# KiCad board electrosteel2020_10_arrange7_synthboardsonlyrev6.kicad_pcb
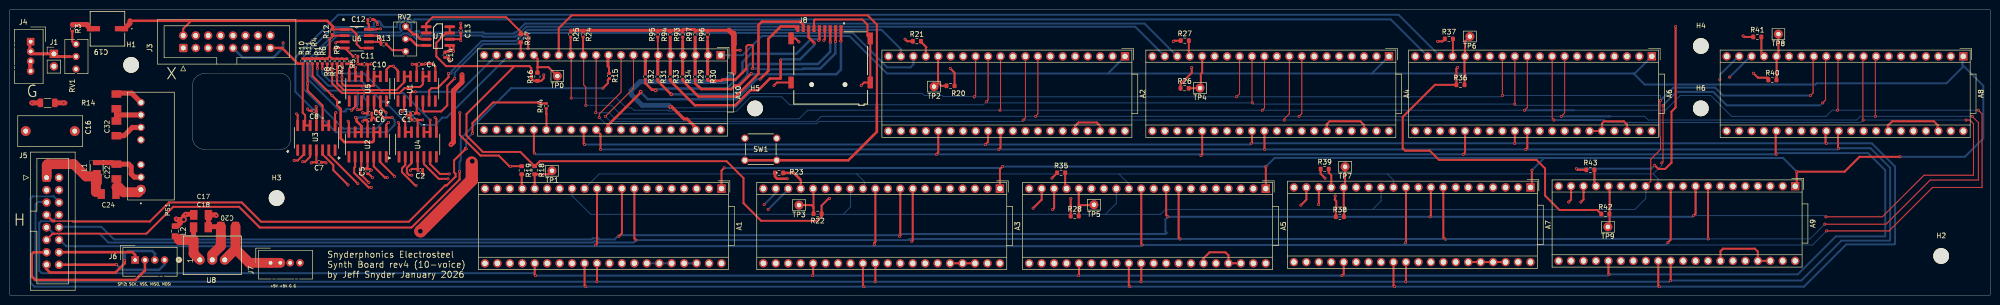
[diagram p0: board, top side]
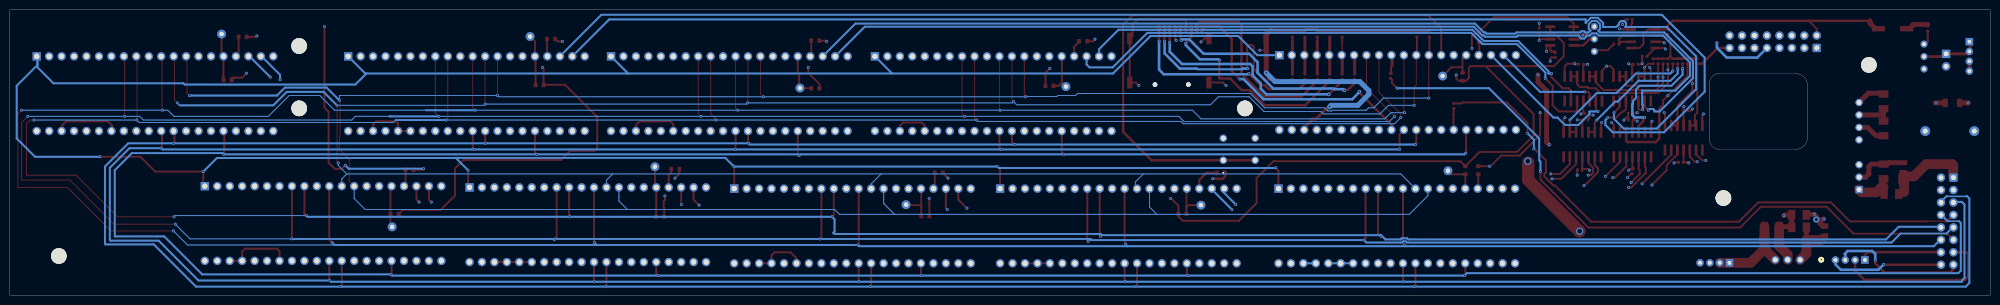
[diagram p1: board, bottom side, seen from below]

Outline 404 x 58.25 mm; copper layers: Top, In1.Cu, In2.Cu, Bottom. Coordinates in mm from the lower left corner of the outline.
Outline path: rectangle 0,58.25 404,0 ; 37.25,42.75 37.25,32.25 arc(37.98,30.48) 39.75,29.75 55.25,29.75 arc(56.66,30.34) 57.25,31.75 57.25,43.25 arc(56.66,44.66) 55.25,45.25 39.75,45.25 arc(37.98,44.52) 37.25,42.75

## Placement (name value [footprint] x y rotation side)
A1  Electrosmith_Daisy_Seed_Rev4  [Electrosmith_Daisy_Seed]  145.19 21.75 270 top
A2  Electrosmith_Daisy_Seed_Rev4  [Electrosmith_Daisy_Seed]  227.51 48.75 270 top
A3  Electrosmith_Daisy_Seed_Rev4  [Electrosmith_Daisy_Seed]  201.98 21.75 270 top
A4  Electrosmith_Daisy_Seed_Rev4  [Electrosmith_Daisy_Seed]  281.35 48.75 270 top
A5  Electrosmith_Daisy_Seed_Rev4  [Electrosmith_Daisy_Seed]  256.22 21.75 270 top
A6  Electrosmith_Daisy_Seed_Rev4  [Electrosmith_Daisy_Seed]  334.97 48.75 270 top
A7  Electrosmith_Daisy_Seed_Rev4  [Electrosmith_Daisy_Seed]  310.22 22 270 top
A8  Electrosmith_Daisy_Seed_Rev4  [Electrosmith_Daisy_Seed]  398.51 48.75 270 top
A9  Electrosmith_Daisy_Seed_Rev4  [Electrosmith_Daisy_Seed]  364.22 22.25 270 top
A10  Electrosmith_Daisy_Seed_Rev4  [Electrosmith_Daisy_Seed]  145.01 48.99 270 top
C1  .1uf  [C_0402_1005Metric]  82.56 35.78 180 top
C2  .1uf  [C_0402_1005Metric]  83.73 25.5 180 top
C3  .1uf  [C_0402_1005Metric]  82.23 37.13 0 top
C4  .1uf  [C_0402_1005Metric]  83.48 47.13 0 top
C5  .1uf  [C_0402_1005Metric]  73 25.27 90 top
C6  .1uf  [C_0402_1005Metric]  73.27 35.75 0 top
C7  .1uf  [C_0402_1005Metric]  63.06 27.13 180 top
C8  .1uf  [C_0402_1005Metric]  62.06 37.63 180 top
C9  .1uf  [C_0402_1005Metric]  73.37 37.13 180 top
C10  .1uf  [C_0402_1005Metric]  72.33 47.13 180 top
C11  .1uf  [C_0402_1005Metric]  70.52 48.75 0 top
C12  .1uf  [C_0402_1005Metric]  73.52 56.25 0 top
C13  .1uf  [C_0402_1005Metric]  92 54.02 90 top
C14  .1uf  [C_0402_1005Metric]  88.75 49 270 top
C16  10000pf Y2  [C_Rect_L13.0mm_W6.0mm_P10.00mm_FKS3_FKP3_MKS4]  3.25 33.5 0 top
C17  4.7uf  [C1206K]  39.02 16.39 0 top
C18  4.7uf  [C1206K]  38.99 13.85 0 top
C19  EEE-HP1E220P  [CAP_PAN_EEE_D_PAN-L]  19.92 54.39 180 top
C20  4.7uf  [C1206K]  44.55 13.98 180 top
C22  10uf  [C1206K]  21.75 25.25 270 top
C23  10uf  [C1206K]  21.75 39.55 90 top
C24  10uf  [C1206K]  20.15 20.65 0 top
C32  10uf  [C1206K]  21.75 34.05 90 top
H1  MountingHole  [MountingHole_3.2mm_M3]  24.75 47 0 top
H2  MountingHole  [MountingHole_3.2mm_M3]  394 8 0 top
H3  MountingHole  [MountingHole_3.2mm_M3]  54.43 19.82 0 top
H4  MountingHole  [MountingHole_3.2mm_M3]  344.98 50.86 0 top
H5  MountingHole  [MountingHole_3.2mm_M3]  152.03 38.12 0 top
H6  MountingHole  [MountingHole_3.2mm_M3]  344.97 38.13 0 top
J1  Conn_01x02_Pin  [PinHeader_1x02_P2.54mm_Vertical]  9 49.25 0 top
J3  Conn_02x08_Counter_Clockwise  [IDC-Header_2x08_P2.54mm_Vertical]  35.38 50.46 90 top
J4  110990030  [NS-Tech_Grove_1x04_P2mm_Vertical]  4.25 51.75 0 top
J5  Conn_02x08_Counter_Clockwise  [IDC-Header_2x08_P2.54mm_Vertical]  7.5 24 0 top
J6  110990030  [NS-Tech_Grove_1x04_P2mm_Vertical]  25.57 7.19 90 top
J7  110990030  [NS-Tech_Grove_1x04_P2mm_Vertical]  53.19 6.61 90 top
J8  MEM2075-00-140-01-A  [GCT_MEM2075-00-140-01-A]  166.98 42.99 0 top
L1  2.2uH  [BOURNS_SRP2010]  17.75 26.05 90 top
L2  10uH  [L_0805_2012Metric_Pad1.15x1.40mm_HandSolder]  33.73 13.08 270 top
PS1  UWE1215S-3WR3  [CONV_UWE1215S-3WR3]  28.8 30.44 90 top
R1  10k  [R_0402_1005Metric]  62.75 47.78 90 top
R2  10k  [R_0402_1005Metric]  67.75 47.76 90 top
R3  560R  [R_0402_1005Metric]  12.75 54.4 270 top
R4  10k  [R_0402_1005Metric]  61.75 47.76 90 top
R5  10k  [R_0402_1005Metric]  68.75 47.74 90 top
R6  10k  [R_0402_1005Metric]  63.75 47.76 90 top
R7  10k  [R_0402_1005Metric]  65.75 47.74 90 top
R8  10k  [R_0402_1005Metric]  64.75 47.74 90 top
R9  10k  [R_0402_1005Metric]  66.75 47.76 90 top
R10  10k  [R_0402_1005Metric]  59.75 47.76 90 top
R11  10k  [R_0402_1005Metric]  60.75 47.78 90 top
R12  10k  [R_0402_1005Metric]  65.75 53.76 90 top
R13  100R  [R_0402_1005Metric]  76.26 51.25 0 top
R14  1M  [R_1206_3216Metric]  7.71 39.25 0 top
R15  47R  [R_0402_1005Metric]  122.33 44.78 270 top
R16  0R  [R_0603_1608Metric]  107.63 44.58 90 top
R17  0R  [R_0603_1608Metric]  104.22 52.45 270 top
R18  0R  [R_0603_1608Metric]  107.07 25.5 270 top
R19  0R  [R_0603_1608Metric]  104.43 25.5 270 top
R20  0R  [R_0603_1608Metric]  191.91 42.73 180 top
R21  0R  [R_0603_1608Metric]  185.04 51.83 0 top
R22  0R  [R_0603_1608Metric]  164.79 16.62 180 top
R23  0R  [R_0603_1608Metric]  156.93 24.96 0 top
R24  2K  [R_0402_1005Metric]  116.95 53.22 270 top
R25  2K  [R_0402_1005Metric]  114.41 53.22 270 top
R26  0R  [R_0603_1608Metric]  239.66 42.24 0 top
R27  0R  [R_0603_1608Metric]  239.69 51.95 0 top
R28  0R  [R_0603_1608Metric]  217.24 16.15 0 top
R29  47R  [R_0402_1005Metric]  139.81 44.61 270 top
R30  47R  [R_0402_1005Metric]  142.35 44.61 270 top
R31  47R  [R_0402_1005Metric]  132.19 44.61 270 top
R32  47R  [R_0402_1005Metric]  129.65 44.61 270 top
R33  47R  [R_0402_1005Metric]  134.73 44.61 270 top
R34  47R  [R_0402_1005Metric]  137.27 44.61 270 top
R35  0R  [R_0603_1608Metric]  214.47 24.99 0 top
R36  0R  [R_0603_1608Metric]  295.93 42.94 0 top
R37  0R  [R_0603_1608Metric]  293.57 52.31 0 top
R38  0R  [R_0603_1608Metric]  271.33 16.01 0 top
R39  0R  [R_0603_1608Metric]  268.24 25.75 0 top
R40  0R  [R_0603_1608Metric]  359.57 43.93 0 top
R41  0R  [R_0603_1608Metric]  356.5 52.71 0 top
R42  0R  [R_0603_1608Metric]  325.49 16.57 0 top
R43  0R  [R_0603_1608Metric]  322.44 25.59 0 top
R44  47R  [R_0402_1005Metric]  109.43 38.63 90 top
R93  47k  [R_0402_1005Metric]  137.27 53.22 90 top
R94  47k  [R_0402_1005Metric]  134.73 53.22 90 top
R95  47k  [R_0402_1005Metric]  132.19 53.22 90 top
R96  47k  [R_0402_1005Metric]  142.35 53.22 90 top
R97  47k  [R_0402_1005Metric]  139.81 53.22 90 top
RV1  50k  [Potentiometer_Bourns_3266Y_Vertical]  13.5 51.25 90 top
RV2  50k  [Potentiometer_Bourns_3266Y_Vertical]  80.75 49.75 270 top
SW1  -  [B3F-1025]  156.45 27.54 180 top
TP0  TestPoint  [Pin_D0.9mm_L10.0mm_W2.4mm_FlatFork]  111.7 44.73 0 top
TP1  TestPoint  [Pin_D0.9mm_L10.0mm_W2.4mm_FlatFork]  110.61 25.4 0 top
TP2  TestPoint  [Pin_D0.9mm_L10.0mm_W2.4mm_FlatFork]  188.55 42.57 0 top
TP3  TestPoint  [Pin_D0.9mm_L10.0mm_W2.4mm_FlatFork]  161 18.38 0 top
TP4  TestPoint  [Pin_D0.9mm_L10.0mm_W2.4mm_FlatFork]  242.81 42.28 0 top
TP5  TestPoint  [Pin_D0.9mm_L10.0mm_W2.4mm_FlatFork]  221.17 18.47 0 top
TP6  TestPoint  [Pin_D0.9mm_L10.0mm_W2.4mm_FlatFork]  297.86 52.8 0 top
TP7  TestPoint  [Pin_D0.9mm_L10.0mm_W2.4mm_FlatFork]  272.4 26.22 0 top
TP8  TestPoint  [Pin_D0.9mm_L10.0mm_W2.4mm_FlatFork]  360.8 53.3 0 top
TP9  TestPoint  [Pin_D0.9mm_L10.0mm_W2.4mm_FlatFork]  326.01 13.95 0 top
U1  INA2134UA  [D14-M]  83 42.14 90 top
U2  INA2134UA  [D14-M]  72.98 30.76 90 top
U3  INA2134UA  [D14-M]  62.54 32.13 90 top
U4  INA2134UA  [D14-M]  83.21 30.76 90 top
U5  INA2134UA  [D14-M]  73.04 42.14 90 top
U6  OPA1642AIDR  [D8]  70.79 52.34 0 top
U7  DRV135UA/2K5  [D0008A_N]  87.35 52.89 0 top
U8  RBT05W24S05  [RBT10W24S05_XPP_XPR]  38.77 7.22 0 top

## Library data of the parts
A1-A10 = -: Datasheet: https://static1.squarespace.com/static/58d03fdc1b10e3bf442567b8/t/6227e6236f02fb68d1577146/1646781988478/Daisy_Seed_datasheet_v1.0.3.pdf; Description: Daisy is an embedded platform for music.; ki_fp_filters: Electrosmith*Daisy*Seed*
C1-C14 = -: Description: Unpolarized capacitor; ki_fp_filters: C_*
C16 = -: Description: capacitor, US symbol; Part: B32021A3103M000; PARTNO: B32021A3103M000; ki_fp_filters: C_*
C17 C18 C20 C22-C24 C32 = -: Description: CAPACITOR, European symbol; PARTNO: TMK316F106ZL-T
C19 = -: ki_fp_filters: CAP_PAN_EEE_D_PAN CAP_PAN_EEE_D_PAN-M CAP_PAN_EEE_D_PAN-L
H1-H6 = -: Description: Mounting Hole without connection; ki_fp_filters: MountingHole*
J1 = -: Description: Generic connector, single row, 01x02, script generated; ki_fp_filters: Connector*:*_1x??_*
J3 = -: Description: Generic connector, double row, 02x08, counter clockwise pin numbering scheme (similar to DIP package numbering), script generated (kicad-library-utils/schlib/autogen/connector/); ki_fp_filters: Connector*:*_2x??_*
J4 J6 J7 = -: PARTREV: A; MANUFACTURER: Seeed Technology; MAXIMUM_PACKAGE_HEIGHT: 8.1mm; STANDARD: Manufacturer Recommendations
J5 = -: Description: Generic connector, double row, 02x08, odd/even pin numbering scheme (row 1 odd numbers, row 2 even numbers), script generated (kicad-library-utils/schlib/autogen/connector/); ki_fp_filters: Connector*:*_2x??_*
J8 = -: PARTREV: A; STANDARD: Manufacturer recommendations; MANUFACTURER: GCT
L1 = -: PARTNO: SRP2010-2R2M
L2 = -: PARTNO: SRP2010-2R2M; ki_fp_filters: Choke_* *Coil* Inductor_* L_*
PS1 = -: Description: DC/DC Converter
R1 R2 R4-R13 R15-R23 R26-R28 R35-R44 = -: Description: Resistor; ki_fp_filters: R_*
R3 = -: PARTNO: ESR03EZPF5600
R14 = -: Description: Resistor; PARTNO: ERA-8AEB105V; ki_fp_filters: R_*
R24 R25 = -: ki_fp_filters: R_*
R29-R31 R33 R34 = -: PARTNO: RC0603JR-0747RL
R32 = -: Description: RESISTOR, American symbol; PARTNO: RC0603JR-0747RL
R93-R97 = -: PARTNO: ESR03EZPJ473
RV1 RV2 = -: Description: Trim-potentiometer, US symbol; ki_fp_filters: Potentiometer*
SW1 = -: ki_fp_filters: SW_B3F-1000_OMR
TP0-TP9 = -: Description: test point; ki_fp_filters: Pin* Test*
U1-U5 = -: Datasheet: https://www.ti.com/lit/gpn/ina2134; ki_fp_filters: D14 D14-M D14-L
U6 = -: Datasheet: https://www.ti.com/lit/gpn/opa1642; ki_fp_filters: D8 D8-M D8-L
U7 = -: Datasheet: https://www.ti.com/lit/gpn/drv135; ki_fp_filters: D0008A_N D0008A_M D0008A_L
U8 = -: ki_fp_filters: RBT10W24S05_XPP_XPR

## Footprints (pads in the part's own frame, mm; a bottom-side part is the same pattern mirrored in y, then rotated)
B3F-1025
  round 1.508 hole 1: 1(0,0) 2(6.5,0) 3(0,-4.5) 4(6.5,-4.5)
BOURNS_SRP2010
  rect 1x1.6 smd: P$1(-1.003,0) P$2(1.003,0)
C1206K
  rect 1.5x2 smd: 1(-1.5,0) 2(1.5,0)
C_0402_1005Metric
  rrect 0.56x0.62 smd: 1(-0.48,0) 2(0.48,0)
C_Rect_L13.0mm_W6.0mm_P10.00mm_FKS3_FKP3_MKS4
  round 2 hole 1: 1(0,0) 2(10,0)
CAP_PAN_EEE_D_PAN-L
  rect 2.692x1.067 smd: 1(-2.857,0) 2(2.857,0)
CONV_UWE1215S-3WR3
  rect 1.508x1.508 hole 1: 1(-8.89,2.05)
  round 1.508 hole 1: 2(-6.35,2.05) 3(-3.81,2.05) 5(1.27,2.05) 6(3.81,2.05) 7(6.35,2.05) 8(8.89,2.05)
D8
  rect 1.981x0.559 smd: 1(-2.464,1.905) 2(-2.464,0.635) 3(-2.464,-0.635) 4(-2.464,-1.905) 5(2.464,-1.905) 6(2.464,-0.635) 7(2.464,0.635) 8(2.464,1.905)
D0008A_N
  oval 2.2x0.6 smd: 1(-2.4,1.905) 2(-2.4,0.635) 3(-2.4,-0.635) 4(-2.4,-1.905) 5(2.4,-1.905) 6(2.4,-0.635) 7(2.4,0.635) 8(2.4,1.905)
D14-M
  rect 2.286x0.559 smd: 1(-2.515,3.81) 2(-2.515,2.54) 3(-2.515,1.27) 4(-2.515,0) 5(-2.515,-1.27) 6(-2.515,-2.54) 7(-2.515,-3.81) 8(2.515,-3.81) 9(2.515,-2.54) 10(2.515,-1.27) 11(2.515,0) 12(2.515,1.27) 13(2.515,2.54) 14(2.515,3.81)
Electrosmith_Daisy_Seed
  rect 1.7x1.7 hole 1.1: 1(0,0)
  round 1.7 hole 1.1: 2(0,-2.54) 3(0,-5.08) 4(0,-7.62) 5(0,-10.16) 6(0,-12.7) 7(0,-15.24) 8(0,-17.78) 9(0,-20.32) 10(0,-22.86) 11(0,-25.4) 12(0,-27.94) 13(0,-30.48) 14(0,-33.02) 15(0,-35.56) 16(0,-38.1) 17(0,-40.64) 18(0,-43.18) 19(0,-45.72) 20(0,-48.26) 21(15.24,-48.26) 22(15.24,-45.72) 23(15.24,-43.18) 24(15.24,-40.64) 25(15.24,-38.1) 26(15.24,-35.56) 27(15.24,-33.02) 28(15.24,-30.48) 29(15.24,-27.94) 30(15.24,-25.4) 31(15.24,-22.86) 32(15.24,-20.32) 33(15.24,-17.78) 34(15.24,-15.24) 35(15.24,-12.7) 36(15.24,-10.16) 37(15.24,-7.62) 38(15.24,-5.08) 39(15.24,-2.54) 40(15.24,0)
GCT_MEM2075-00-140-01-A
  round 0.95 hole 0.95 unplated: (-3.4,0) (3.4,0)
  rect 0.62x1.4 smd: P1(2.58,11.42) P2(1.48,11.42) P3(0.38,11.42) P4(-0.72,11.42) P5(-1.82,11.42) P6(-2.92,11.42) P7(-4.02,11.42) P8(-5.12,11.42) P9(-6.22,11.42)
  rect 1.1x2.4 smd: SH1(-7.6,0.42) SH2(-7.6,9.42) SH3(8.55,9.42) SH4(8.55,0.42)
IDC-Header_2x08_P2.54mm_Vertical
  rrect 1.7x1.7 hole 1: 1(0,0)
  round 1.7 hole 1: 2(2.54,0) 3(0,-2.54) 4(2.54,-2.54) 5(0,-5.08) 6(2.54,-5.08) 7(0,-7.62) 8(2.54,-7.62) 9(0,-10.16) 10(2.54,-10.16) 11(0,-12.7) 12(2.54,-12.7) 13(0,-15.24) 14(2.54,-15.24) 15(0,-17.78) 16(2.54,-17.78)
L_0805_2012Metric_Pad1.15x1.40mm_HandSolder
  rrect 1.15x1.4 smd: 1(-1.025,0) 2(1.025,0)
MountingHole_3.2mm_M3
  round 3.2 hole 3.2 unplated: (0,0)
NS-Tech_Grove_1x04_P2mm_Vertical
  rect 1.524x1.524 hole 0.762: 1(0,0)
  round 1.524 hole 0.762: 2(0,-2) 3(0,-4) 4(0,-6)
Pin_D0.9mm_L10.0mm_W2.4mm_FlatFork
  round 1.8 hole 0.9: 1(0,0)
PinHeader_1x02_P2.54mm_Vertical
  rect 1.7x1.7 hole 1: 1(0,0)
  round 1.7 hole 1: 2(0,-2.54)
Potentiometer_Bourns_3266Y_Vertical
  round 1.44 hole 0.8: 1(0,0) 2(-2.54,0) 3(-5.08,0)
R_0402_1005Metric
  rrect 0.54x0.64 smd: 1(-0.51,0) 2(0.51,0)
R_0603_1608Metric
  rrect 0.8x0.95 smd: 1(-0.825,0) 2(0.825,0)
R_1206_3216Metric
  rrect 1.125x1.75 smd: 1(-1.462,0) 2(1.462,0)
RBT10W24S05_XPP_XPR
  round 1.524 hole 1.016: 1(0,0) 2(2.54,0) 3(5.08,0)

## Nets
+3V3: A10.38 J8.P4 R24.1 R25.1 R93.2 R94.2 R95.2 R96.2 R97.2
+12V: A1.39 A2.39 A3.39 A4.39 A5.39 A6.39 A7.39 A8.39 A9.39 A10.39 C17.1 C24.1 J5.1 J5.3 L1.P$1 L2.1
+15V: C1.1 C4.1 C6.1 C8.1 C10.1 C12.1 C13.1 C32.1 PS1.6 U1.11 U2.11 U3.11 U4.11 U5.11 U6.8 U7.6
-15V: C2.2 C3.2 C5.2 C7.2 C9.2 C11.1 C14.1 C23.2 PS1.8 U1.4 U2.4 U3.4 U4.4 U5.4 U6.4 U7.5
DGND4: A1.20 A1.34 A1.35 A1.36 A1.40 A2.20 A2.34 A2.35 A2.37 A2.40 A3.20 A3.34 A3.35 A3.40 A4.20 A4.34 A4.36 A4.37 A4.40 A5.20 A5.34 A5.36 A5.40 A6.20 A6.34 A6.37 A6.40 A7.20 A7.34 A7.40 A8.20 A8.35 A8.36 A8.37 A8.40 A9.20 A9.35 A9.36 A9.40 A10.20 A10.34 A10.35 A10.36 A10.37 A10.40 C16.1 C17.2 C18.2 C20.2 C22.2 C24.2 J5.2 J7.3 J7.4 J8.P6 J8.SH1 J8.SH2 J8.SH3 J8.SH4 PS1.1 R14.1 SW1.3 SW1.4 U8.2
GNDINT: C1.2 C2.1 C3.1 C4.2 C5.1 C6.2 C7.1 C8.2 C9.1 C10.2 C11.2 C12.2 C13.2 C14.2 C16.2 C23.1 C32.2 J1.2 J3.1 J3.3 J3.4 J4.3 J4.4 PS1.7 R14.2 RV1.3 RV2.3 U1.8 U1.14 U2.8 U2.14 U3.8 U3.14 U4.8 U4.14 U5.8 U5.14 U6.3 U7.3
/electrosteel2020_10_arrange7_synthboardsonlyrev6_1/CLK: J8.P5 R32.2
/electrosteel2020_10_arrange7_synthboardsonlyrev6_1/CMD: J8.P3 R31.2
/electrosteel2020_10_arrange7_synthboardsonlyrev6_1/DAT0: J8.P7 R33.2
/electrosteel2020_10_arrange7_synthboardsonlyrev6_1/DAT1: J8.P8 R34.2
/electrosteel2020_10_arrange7_synthboardsonlyrev6_1/DAT2: J8.P1 R29.2
/electrosteel2020_10_arrange7_synthboardsonlyrev6_1/DAT3: J8.P2 R30.2
/electrosteel2020_10_arrange7_synthboardsonlyrev6_1/I2C_SCL: A1.12 A2.12 A3.12 A4.12 A5.12 A6.12 A7.12 A8.12 A9.12 A10.12 R24.2
/electrosteel2020_10_arrange7_synthboardsonlyrev6_1/I2C_SDA: A1.13 A2.13 A3.13 A4.13 A5.13 A6.13 A7.13 A8.13 A9.13 A10.13 R25.2
/electrosteel2020_10_arrange7_synthboardsonlyrev6_1/IN_N: R17.1 R19.1 R21.1 R23.1 R27.1 R35.1 R37.1 R39.1 R41.1 R43.1 U7.1 U7.2
/electrosteel2020_10_arrange7_synthboardsonlyrev6_1/IN_P: R16.1 R18.1 R20.1 R22.1 R26.1 R28.1 R36.1 R38.1 R40.1 R42.1 U7.7 U7.8
/electrosteel2020_10_arrange7_synthboardsonlyrev6_1/MASTER_SIGNAL: A1.1 A2.1 A3.1 A4.1 A5.1 A6.1 A7.1 A8.1 A9.1 A10.1
/electrosteel2020_10_arrange7_synthboardsonlyrev6_1/MISO_2: A10.10 R15.1
/electrosteel2020_10_arrange7_synthboardsonlyrev6_1/MISO_POSTRES: J5.11 R15.2
/electrosteel2020_10_arrange7_synthboardsonlyrev6_1/MOSI_2: A1.11 A2.11 A3.11 A4.11 A5.11 A6.11 A7.11 A8.11 A9.11 A10.11 J5.12
/electrosteel2020_10_arrange7_synthboardsonlyrev6_1/OUT1_N: A10.19 U1.3
/electrosteel2020_10_arrange7_synthboardsonlyrev6_1/OUT1_P: A10.18 U1.2
/electrosteel2020_10_arrange7_synthboardsonlyrev6_1/OUT1_S: J3.9 R9.1 U1.12 U1.13
/electrosteel2020_10_arrange7_synthboardsonlyrev6_1/OUT2_N: A1.19 U4.6
/electrosteel2020_10_arrange7_synthboardsonlyrev6_1/OUT2_P: A1.18 U4.5
/electrosteel2020_10_arrange7_synthboardsonlyrev6_1/OUT2_S: J3.12 R8.1 U4.9 U4.10
/electrosteel2020_10_arrange7_synthboardsonlyrev6_1/OUT3_N: A2.19 U1.6
/electrosteel2020_10_arrange7_synthboardsonlyrev6_1/OUT3_P: A2.18 U1.5
/electrosteel2020_10_arrange7_synthboardsonlyrev6_1/OUT3_S: J3.10 R7.1 U1.9 U1.10
/electrosteel2020_10_arrange7_synthboardsonlyrev6_1/OUT4_N: A3.19 U4.3
/electrosteel2020_10_arrange7_synthboardsonlyrev6_1/OUT4_P: A3.18 U4.2
/electrosteel2020_10_arrange7_synthboardsonlyrev6_1/OUT4_S: J3.14 R6.1 U4.12 U4.13
/electrosteel2020_10_arrange7_synthboardsonlyrev6_1/OUT5_N: A4.19 U5.3
/electrosteel2020_10_arrange7_synthboardsonlyrev6_1/OUT5_P: A4.18 U5.2
/electrosteel2020_10_arrange7_synthboardsonlyrev6_1/OUT5_S: J3.5 R5.1 U5.12 U5.13
/electrosteel2020_10_arrange7_synthboardsonlyrev6_1/OUT6_N: A5.19 U2.6
/electrosteel2020_10_arrange7_synthboardsonlyrev6_1/OUT6_P: A5.18 U2.5
/electrosteel2020_10_arrange7_synthboardsonlyrev6_1/OUT6_S: J3.11 R4.1 U2.9 U2.10
/electrosteel2020_10_arrange7_synthboardsonlyrev6_1/OUT7_N: A6.19 U5.6
/electrosteel2020_10_arrange7_synthboardsonlyrev6_1/OUT7_P: A6.18 U5.5
/electrosteel2020_10_arrange7_synthboardsonlyrev6_1/OUT7_S: J3.7 R2.1 U5.9 U5.10
/electrosteel2020_10_arrange7_synthboardsonlyrev6_1/OUT8_N: A7.19 U2.3
/electrosteel2020_10_arrange7_synthboardsonlyrev6_1/OUT8_P: A7.18 U2.2
/electrosteel2020_10_arrange7_synthboardsonlyrev6_1/OUT8_S: J3.16 R1.1 U2.12 U2.13
/electrosteel2020_10_arrange7_synthboardsonlyrev6_1/OUT9_N: A8.19 U3.3
/electrosteel2020_10_arrange7_synthboardsonlyrev6_1/OUT9_P: A8.18 U3.2
/electrosteel2020_10_arrange7_synthboardsonlyrev6_1/OUT9_S: J3.15 R10.1 U3.12 U3.13
/electrosteel2020_10_arrange7_synthboardsonlyrev6_1/OUT10_N: A9.19 U3.6
/electrosteel2020_10_arrange7_synthboardsonlyrev6_1/OUT10_P: A9.18 U3.5
/electrosteel2020_10_arrange7_synthboardsonlyrev6_1/OUT10_S: J3.13 R11.1 U3.9 U3.10
/electrosteel2020_10_arrange7_synthboardsonlyrev6_1/OUT_PRECAP: C19.1 J3.2 R12.2 U6.1 U6.5
/electrosteel2020_10_arrange7_synthboardsonlyrev6_1/PA1_SD_DETECT: A10.31 J8.P9
/electrosteel2020_10_arrange7_synthboardsonlyrev6_1/SCLK_2: A1.9 A2.9 A3.9 A4.9 A5.9 A6.9 A7.9 A8.9 A9.9 A10.9 J5.10
/electrosteel2020_10_arrange7_synthboardsonlyrev6_1/SD_CLK: A10.7 R32.1
/electrosteel2020_10_arrange7_synthboardsonlyrev6_1/SD_CMD: A10.6 R31.1 R95.1
/electrosteel2020_10_arrange7_synthboardsonlyrev6_1/SD_DAT0: A10.5 R33.1 R94.1
/electrosteel2020_10_arrange7_synthboardsonlyrev6_1/SD_DAT1: A10.4 R34.1 R93.1
/electrosteel2020_10_arrange7_synthboardsonlyrev6_1/SD_DAT2: A10.3 R29.1 R97.1
/electrosteel2020_10_arrange7_synthboardsonlyrev6_1/SD_DAT3: A10.2 R30.1 R96.1
/electrosteel2020_10_arrange7_synthboardsonlyrev6_1/SPI2_MISO: J5.15 J6.3
/electrosteel2020_10_arrange7_synthboardsonlyrev6_1/SPI2_MOSI: J5.16 J6.4
/electrosteel2020_10_arrange7_synthboardsonlyrev6_1/SPI2_NSS: J5.13 J6.2
/electrosteel2020_10_arrange7_synthboardsonlyrev6_1/SPI2_SCK: J5.14 J6.1
/electrosteel2020_10_arrange7_synthboardsonlyrev6_1/SPI6_CLK: A1.29 A2.29 A3.29 A4.29 A5.29 A6.29 A7.29 A8.29 A9.29 A10.29 J5.6
/electrosteel2020_10_arrange7_synthboardsonlyrev6_1/SPI6_MISO: A10.26 R44.1
/electrosteel2020_10_arrange7_synthboardsonlyrev6_1/SPI6_MISO_POSTRES: J5.7 R44.2
/electrosteel2020_10_arrange7_synthboardsonlyrev6_1/SPI6_MOSI: A1.25 A2.25 A3.25 A4.25 A5.25 A6.25 A7.25 A8.25 A9.25 A10.25 J5.8
/electrosteel2020_10_arrange7_synthboardsonlyrev6_1/SPI6_NSS: A1.30 A2.30 A3.30 A4.30 A5.30 A6.30 A7.30 A8.30 A9.30 A10.30 J5.5
/electrosteel2020_10_arrange7_synthboardsonlyrev6_1/SS_2: A1.8 A2.8 A3.8 A4.8 A5.8 A6.8 A7.8 A8.8 A9.8 A10.8 J5.9
Net-(A1-3V3_D): A1.37 A1.38
Net-(A1-AUDIO_IN_1): A1.16 R18.2 TP1.1
Net-(A1-AUDIO_IN_2): A1.17 R19.2
Net-(A2-3V3_D): A2.36 A2.38
Net-(A2-AUDIO_IN_1): A2.16 R20.2 TP2.1
Net-(A2-AUDIO_IN_2): A2.17 R21.2
Net-(A3-3V3_D): A3.36 A3.37 A3.38
Net-(A3-AUDIO_IN_1): A3.16 R22.2 TP3.1
Net-(A3-AUDIO_IN_2): A3.17 R23.2
Net-(A4-3V3_D): A4.35 A4.38
Net-(A4-AUDIO_IN_1): A4.16 R26.2 TP4.1
Net-(A4-AUDIO_IN_2): A4.17 R27.2
Net-(A5-3V3_D): A5.35 A5.37 A5.38
Net-(A5-AUDIO_IN_1): A5.16 R28.2 TP5.1
Net-(A5-AUDIO_IN_2): A5.17 R35.2
Net-(A6-3V3_D): A6.35 A6.36 A6.38
Net-(A6-AUDIO_IN_1): A6.16 R36.2 TP6.1
Net-(A6-AUDIO_IN_2): A6.17 R37.2
Net-(A7-3V3_D): A7.35 A7.36 A7.37 A7.38
Net-(A7-AUDIO_IN_1): A7.16 R38.2 TP7.1
Net-(A7-AUDIO_IN_2): A7.17 R39.2
Net-(A8-3V3_D): A8.34 A8.38
Net-(A8-AUDIO_IN_1): A8.16 R40.2 TP8.1
Net-(A8-AUDIO_IN_2): A8.17 R41.2
Net-(A9-3V3_D): A9.34 A9.37 A9.38
Net-(A9-AUDIO_IN_1): A9.16 R42.2 TP9.1
Net-(A9-AUDIO_IN_2): A9.17 R43.2
Net-(A10-AUDIO_IN_1): A10.16 R16.2 TP0.1
Net-(A10-AUDIO_IN_2): A10.17 R17.2
Net-(A10-USART1_TX): A10.14 SW1.1 SW1.2
Net-(C18-Pad1): C18.1 L2.2 U8.1
Net-(C19-Pad2): C19.2 R3.1
Net-(C20-Pad1): C20.1 J7.1 J7.2 U8.3
Net-(J1-Pin_1): J1.1 J4.1 J4.2 RV1.2
Net-(PS1-VIN): C22.1 L1.P$2 PS1.2
Net-(R3-Pad2): R3.2 RV1.1
Net-(R13-Pad2): R13.2 RV2.1
Net-(U6-INA-): R1.2 R2.2 R4.2 R5.2 R6.2 R7.2 R8.2 R9.2 R10.2 R11.2 R12.1 U6.2
Net-(U6-INB-): R13.1 U6.6 U6.7
Net-(U7-VIN): RV2.2 U7.4

Pads without a net: A1 2 3 4 5 6 7 10 14 15 21 22 23 24 26 27 28 31 32 33; A2 2 3 4 5 6 7 10 14 15 21 22 23 24 26 27 28 31 32 33; A3 2 3 4 5 6 7 10 14 15 21 22 23 24 26 27 28 31 32 33; A4 2 3 4 5 6 7 10 14 15 21 22 23 24 26 27 28 31 32 33; A5 2 3 4 5 6 7 10 14 15 21 22 23 24 26 27 28 31 32 33; A6 2 3 4 5 6 7 10 14 15 21 22 23 24 26 27 28 31 32 33; A7 2 3 4 5 6 7 10 14 15 21 22 23 24 26 27 28 31 32 33; A8 2 3 4 5 6 7 10 14 15 21 22 23 24 26 27 28 31 32 33; A9 2 3 4 5 6 7 10 14 15 21 22 23 24 26 27 28 31 32 33; A10 15 21 22 23 24 27 28 32 33; J3 6 8; J5 4; PS1 3 5; U1 1 7; U2 1 7; U3 1 7; U4 1 7; U5 1 7

## Via types
v1: diameter 1.27, hole 0.635, Top to Bottom, 1 via
v2: diameter 1.5, hole 1, Top to Bottom, 2 vias
v3: diameter 0.6, hole 0.305, Top to Bottom, 211 vias
v4: diameter 0.756, hole 0.35, Top to Bottom, 5 vias
